# Allegro board OPT8241-CDK-EVM IB 10-50_REV2P0V1.brd
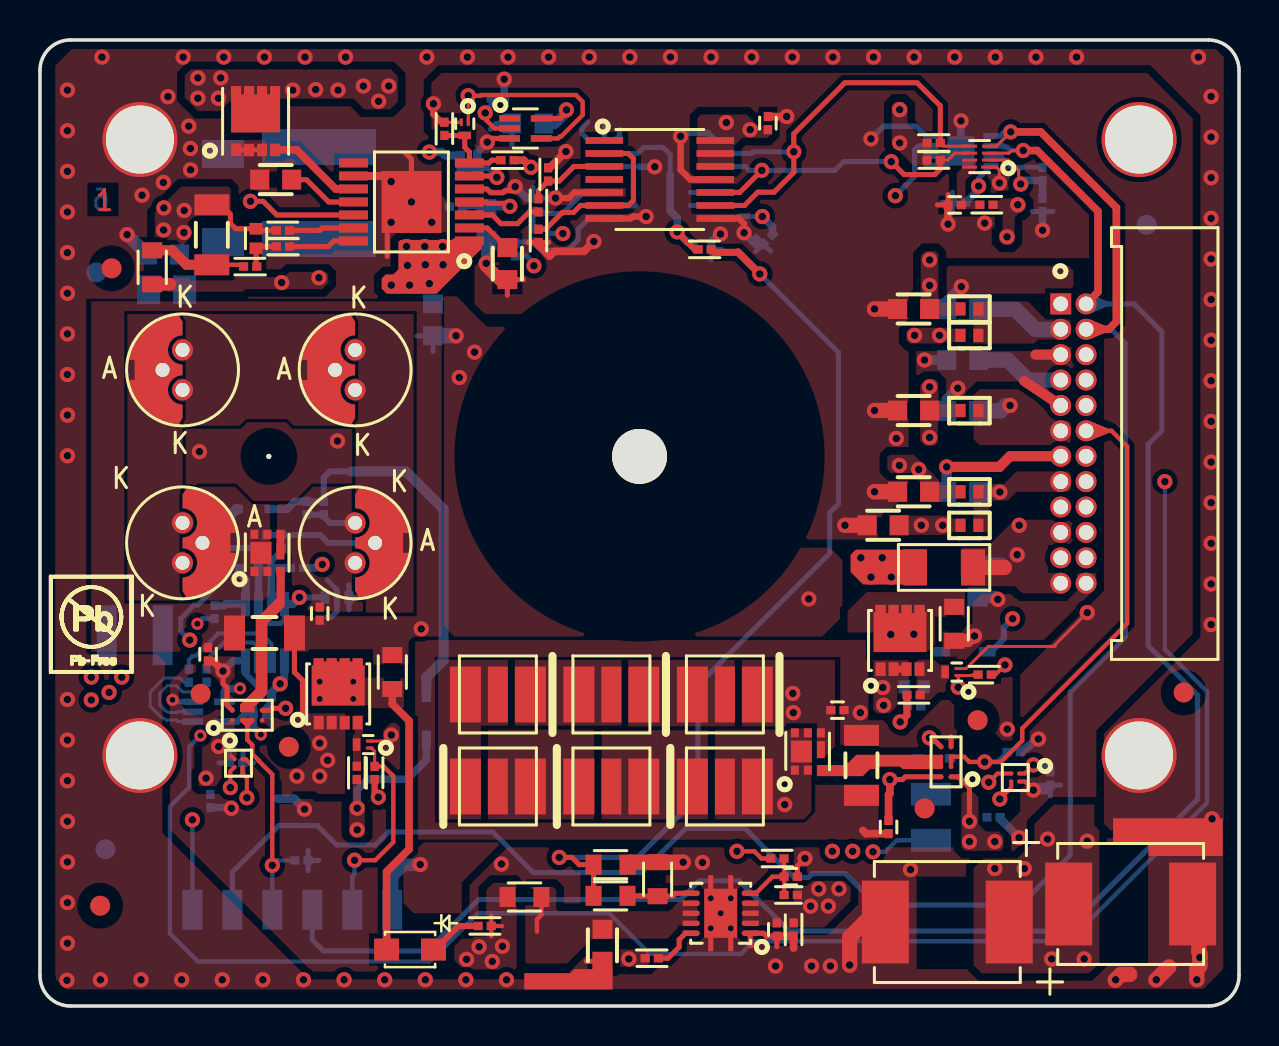
[diagram p0: board, top side]
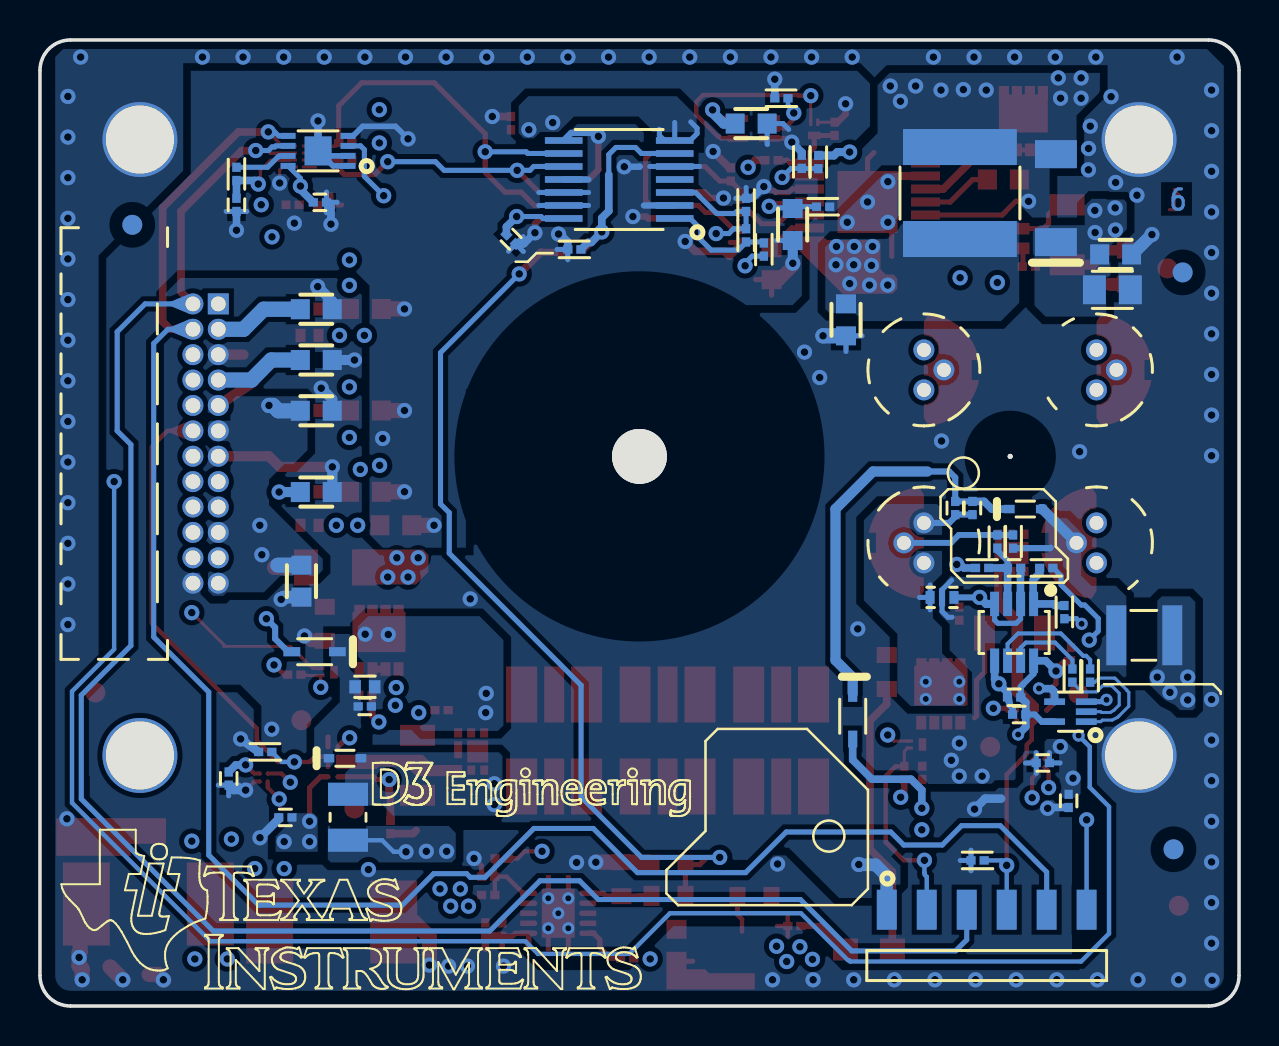
[diagram p1: board, bottom side, seen from below]

Outline 60 x 48.32 mm; copper layers: TOP, GND, SIG, PWR 1, PWR 2, BOTTOM. Coordinates in mm from the lower left corner of the outline.
Outline path: 0,46.8 0,1.52 arc(0.45,0.45) 1.52,0 58.48,0 arc(59.55,0.45) 60,1.52 60,46.8 arc(59.55,47.87) 58.48,48.32 1.52,48.32 arc(0.45,47.87) 0,46.8

## Design rules (mm)
net group 50 OHMS: nets ILLUM_EN ILLUM_ENZ ILLUM_N ILLUM_P ILLUM_REF
nets with their own width: min track width 0.218; nets EN ILLUM_EN_G_HEXLED ILLUM_EN_G_QUADLASER ILLUM_HEX_LED ILLUM_QUAD_LASER TRIG_G_HEXLED TRIG_G_QUADLASER
nets with their own width: min track width 0.254; nets CSH GND GND_SIGNAL I2C_AUX_SCL I2C_AUX_SDA I2C_SLV_SCL I2C_SLV_SCL_3V3 I2C_SLV_SDA I2C_SLV_SDA_3V3 N00829 N00887 N00891 N00899 N02235 N02281 N02839 N03645 N03679 N03848 N03934 N04868 N07848 N10016 N16712861 N16713156 N16713230 N16713615 N16714163 N16714426 N16715520 N16728853 N16778392 N16781068 N16781102 N16783332 N16783352 N1671243410 OVP RCT RVAR SW VCC_5V0_ILLUM_IN VCC_5V0_MINUS_ILLUM_IN VCC_ILLUM_DRV_1V8_IN VCC_ILLUM_DRV_3V3 VCC_ILLUM_DRV_3V3_IN VCC_ILLUM_DRV_5V0 VCC_IO VCC_IO_1V8 VCC_POW_5V0 VREF

## Placement (name value [footprint] x y rotation side)
B1  BLM31PG121SN1L  [INDC1206]  45.24 21.94 0 top
B2  BK1005HS100-T  [INDC0402]  46.51 34.87 180 top
B3  BK1005HS100-T  [INDC0402]  46.51 25.72 180 top
B4  BK1005HS100-T  [INDC0402]  46.51 29.79 180 top
B5  BK1005HS100-T  [INDC0402]  46.51 33.54 180 top
B6  DNP  [INDC0402]  46.51 24.04 180 top
C1  1.5mF  [CT7360-20]  54.58 5.1 0 top
C2  1.5mF  [CT7360-20]  45.4 4.2 180 top
C3  100nF  [CC0603]  43.72 34.87 0 top
C4  100nF  [CC0603]  43.72 25.72 0 top
C5  100nF  [CC0603]  43.72 29.79 0 top
C6  100nF  [CC0603]  42.19 24.04 0 top
C7  100nF  [CC0603]  46.17 34.85 0 bottom
C8  100nF  [CC0603]  46.17 32.31 0 bottom
C9  100nF  [CC0603]  46.17 29.77 0 bottom
C10  100nF  [CC0603]  46.17 25.71 0 bottom
C11  100nF  [CC0603]  46.92 21.25 90 bottom
C12  100pF  [CC0201]  45.77 40.07 180 top
C13  100nF  [CC0201]  45.99 40.2 180 bottom
C14  DNP  [CC0201]  42.46 8.95 270 top
C15  DNP  [CC0201]  47.72 9.43 0 bottom
C16  DNP  [CC0201]  50.56 11.38 270 bottom
C17  DNP  [CC0402]  43.74 15.97 180 bottom
C18  DNP  [CC0201]  39.91 14.8 180 top
C19  DNP  [CC0603]  19.67 34.32 90 bottom
C20  DNP  [CC0603]  6.17 37.6 0 bottom
C21  DNP  [CC0603]  23.39 37.13 270 top
C22  DNP  [CC0402]  10.82 38.39 90 top
C23  DNP  [CC0603]  11.8 41.33 0 top
C24  DNP  [CC0201]  36.43 44.16 90 top
C25  DNP  [CC0603]  22.34 39.09 90 bottom
C33  22uF  [CC0603]  28.15 3.04 270 top
C34  100nF  [CC0201]  36.87 3.83 270 top
C35  100nF  [CC0201]  37.57 6.47 0 top
C36  100nF  [CC0201]  8.41 17.59 90 top
C37  100nF  [CC0201]  8.53 10.26 270 bottom
C38  10nF  [CC0201]  14.2 24.91 270 bottom
C39  1uF  [CC0201]  9.82 12.16 0 bottom
C40  10nF  [CC0201]  14 19.63 90 top
C41  100nF  [CC0201]  36.42 38.35 225 bottom
C46  100nF  [CC0603]  24.41 44.14 0 bottom
C47  100nF  [CC0201]  50.17 40.07 270 bottom
C48  330pF  [CC0201]  13.34 24.91 270 bottom
C49  DNP  [CC0805]  6.34 35.82 0 bottom
C50  DNP  [CC0201]  43.75 14.98 180 bottom
C51  10nF  [CC0201]  11.25 15.44 180 bottom
C52  10nF  [RF_CAP]  14.86 20.44 180 bottom
C53  100pF  [CC0201]  11.26 21.91 0 bottom
C54  100nF  [CC0201]  11 14.58 0 bottom
D1  DNP  [LED_SFH_4715S_CUS]  34.27 10.98 0 top
D2  DNP  [LED_SFH_4715S_CUS]  28.59 10.98 0 top
D3  DNP  [LED_SFH_4715S_CUS]  22.91 10.98 0 top
D4  DNP  [LED_SFH_4715S_CUS]  22.91 15.58 180 top
D5  DNP  [LED_SFH_4715S_CUS]  28.59 15.58 180 top
D6  DNP  [DIO_SOD-523]  44.74 12.39 180 bottom
D7  DNP  [DIO_SOD-323FL]  46.26 17.72 0 bottom
D8  DNP  [LED_SFH_4715S_CUS]  34.27 15.58 180 top
D9  DNP  [DIO_TMINIP2-F2-B]  9.16 40.41 90 bottom
D11  21170778  [DIODE_22045498_CUS]  7.13 22.17 90 top
D12  21170778  [DIODE_22045498_CUS]  7.13 32.82 270 top
D13  21170778  [DIODE_22045498_CUS]  15.77 32.82 270 top
D14  BAP65-02  [DIO_SOD-523]  10.7 24.86 180 bottom
D15  DDZ10BSF  [DIO_SOD-323FL]  19.33 14.49 270 bottom
D16  21170778  [DIODE_22045498_CUS]  15.77 22.17 90 top
D18  APT1608SURCK  [APT2012MGC]  18.52 2.82 180 top
J1  SHF-112-01-L-D-RA  [SAMTEC_SHF-112-01-L-D-RA]  51.08 35.12 270 top
J2  DNP  [3M_951106-4620-AR-PR]  12.63 2.02 180 bottom
L1  DNP  [INDC1007]  44.58 9.44 90 bottom
L2  DNP  [IND_74404064033]  13.96 40.66 90 bottom
L5  510nH  [INDC1210]  4.74 18.54 180 bottom
MH1  M HOLE1  [NPTH_118]  55 43.34 0 top
MH2  M HOLE1  [NPTH_118]  5 43.34 0 top
MH3  M HOLE1  [NPTH_118]  55 12.53 0 top
MH4  M HOLE1  [NPTH_118]  5 12.53 0 top
NOREF  -  [unnamed]  57.23 15.68 0 top
NOREF#2  -  [#2]  0 46.8 0 top
NOREF#3  -  [#2]  30.03 18.74 0 top
NOREF#4  -  [unnamed]  3.01 5.02 0 top
NOREF#5  -  [#2]  1.52 0 90 top
NOREF#6  -  [#2]  0.29 47.94 0 top
NOREF#7  -  [unnamed#2]  30 27.49 0 top
NOREF#8  -  [unnamed#3]  11.45 27.49 0 top
NOREF#9  -  [unnamed]  3.58 36.9 0 top
NOREF#10  -  [unnamed]  3.28 7.84 0 bottom
NOREF#11  -  [unnamed]  2.82 36.69 0 bottom
NOREF#12  -  [unnamed]  55.38 39.07 0 bottom
R3  200k  [RC0201]  47.36 40.08 180 top
R4  DNP  [RC0201]  48.73 12.71 180 bottom
R5  DNP  [RC0201]  43.72 15.56 180 top
R6  DNP  [RC0201]  47.27 16.58 0 top
R7  DNP  [RC0603]  45.75 19.12 90 top
R8  DNP  [RC1206]  41.11 12.04 270 top
R9  DNP  [RC0201]  12.16 38.79 0 top
R10  DNP  [RC1206]  8.6 38.57 90 top
R11  DNP  [RC0201]  12.16 37.99 0 top
R12  DNP  [RC0201]  10.52 36.99 0 top
R13  DNP  [RC0201]  23.4 42.31 0 top
R14  DNP  [RC0201]  20.24 43.87 270 top
R15  DNP  [RC0201]  21.05 42.21 90 bottom
R16  DNP  [RC0201]  20.81 39.98 180 bottom
R17  DNP  [RC0201]  25.43 41.6 270 top
R18  DNP  [RC0201]  24.95 40.05 270 top
R19  DNP  [RC0201]  21.88 42.22 270 bottom
R20  DNP  [RC0201]  24.95 38.52 90 top
R26  DNP  [RC0201]  36.9 7.38 0 top
R27  10k  [RC0201]  30.61 2.39 180 top
R28  10k  [RC0201]  37.71 3.83 90 top
R29  10k  [RC0201]  37.57 5.55 0 top
R30  0  [RC0603]  28.55 5.51 0 top
R31  DNP  [RC0603]  28.55 7.07 180 top
R32  DNP  [RC0603]  30.91 6.34 270 top
R33  10k  [RC0201]  13.08 7.28 180 bottom
R34  0  [RC1206]  11.23 18.66 0 top
R35  2k  [RC0201]  15.85 11.66 270 top
R36  10k  [RC0201]  16.75 11.65 270 top
R37  DNP  [RC0603]  17.63 16.7 270 top
R38  0  [RC0201]  23.78 37.84 270 bottom
R41  DNP  [RC0201]  24.67 38.55 90 bottom
R44  DNP  [RC0201]  24.67 40.07 270 bottom
R50  10k  [RC0201]  22.9 45.4 180 bottom
R51  2.2k  [RC0201]  44.72 42.31 180 top
R52  2.2k  [RC0201]  44.72 43.17 180 top
R53  51.1k  [RC0201]  33.26 37.84 0 top
R54  113k  [RC0201]  33.26 37.84 180 bottom
R55  0  [RC0201]  50.17 41.62 90 bottom
R57  51  [RC0201]  22.25 4 180 top
R58  DNP  [RC0603]  5.62 36.95 90 top
R59  0  [RC0603]  24.25 5.45 0 top
R60  DNP  [RC0201]  9.65 21.91 180 bottom
R61  30  [RC0201]  8.34 16.53 90 bottom
R63  DNP  [RC0201]  12.86 21.91 0 bottom
R64  30  [RC0201]  7.45 16.53 90 bottom
R65  30  [RC0201]  12.09 23.23 90 bottom
R66  DNP  [RC0201]  11.31 23.23 90 bottom
R67  DNP  [RC0201]  8.74 19.7 270 bottom
U1  PCA9306DQER  [SON35P100X140X40-8N]  47.02 42.49 180 top
U2  DNP  [BGA8C50P2X4_89X189X50]  45.34 12.21 180 top
U3  DNP  [BGA4C40P2X2_76X76X63]  48.8 11.43 270 top
U4  DNP  [SON65P200X200X85-8]  38.43 12.73 0 top
U5  CSD17578Q3A  [SON_CSD17578Q3A]  43.04 18.29 90 top
U6  DNP  [DFN100X60X35-3N]  45.62 16.7 180 top
U7  DNP  [SOP65P640X110-15N]  18.59 40.22 180 top
U8  DNP  [DFN100X60X35-3N]  21.25 43.87 270 top
U9  DNP  [SOP65P580X120-14]  31.02 41.34 0 top
U12  TPS2559  [SON50P300X300X100-11NA]  34.06 4.64 180 top
U13  SN74LVC2T45  [BGA8C50P2X4_89X189X50]  10.37 14.54 90 top
U14  TMP103C  [BGA4C40P2X2_76X76X63]  9.93 12.15 0 top
U15  CSD16301Q2  [SON65P200X200X85-8]  11.38 22.67 0 top
U16  CSD17578Q3A  [SON_CSD17578Q3A]  14.92 15.61 90 top
U17  CSD13381F4  [DFN100X60X35-3N]  16.17 13.08 180 top
U18  TPL0102-100PWR  [SOP65P580X120-14]  31.02 41.34 0 bottom
U20  SN74AHC1G04  [SOT553]  24.29 43.9 270 top
U21  CAT24C02HU4IGT3A  [SON50P200X300X55-9N]  46.09 42.77 0 bottom
U22  TLV3502  [SOT23-8]  11.28 18.71 0 bottom
U23  SN74LVC1G86  [SOT553]  8.44 14.72 90 bottom
X1  DNP  [SON_CSD17308Q3]  10.79 44.26 90 top

## Library data of the parts
B1-B6 = Bead
C1-C25 C33-C41 C46-C51 C53 C54 = CAP NP
C52 = CAP NP_1
D1-D5 D8 = LED_3
D6 D14 = DIODE PIN_3
D7 D15 = DIODE ZENER
D9 = DIODE SCHOTTKY_0
D11-D13 D16 = LED_1
D18 = LED_2
J1 = CONN PLUG 12x2_1
J2 = CON6A_0
L1 L2 L5 = INDUCTOR
MH1-MH4 = M HOLE1_1
R3-R20 R26-R38 R41 R44 R50-R55 R57-R61 R63-R67 = RESISTOR
U1 = PCA9306DQER
U2 = SN74LVC2T45-Q1_1
U3 U14 = TMP103A
U4 U15 = CSD16301Q2_4
U5 U16 = CSD17578Q3A_3
U6 U8 U17 = CSD13381F4_2
U7 = LM3429
U9 U18 = TPL0102-100_0
U12 = TPS2559
U13 = SN74LVC2T45-Q1_0
U20 = SN74AHC1G04
U21 = CAT24C02HU4IGT3A_0
U22 = TLV3502
U23 = SN74AHC1G04_1
X1 = CSD16301Q2_0

## Footprints (pads in the part's own frame, mm; a bottom-side part is the same pattern mirrored in y, then rotated)
3M_951106-4620-AR-PR
  rect 1x2 smd: 1(-5,2.795) 2(-3,2.795) 3(-1,2.795) 4(1,2.795) 5(3,2.795) 6(5,2.795)
APT2012MGC
  rect 1.25x1.1 smd: 1(-1.175,0) 2(1.175,0)
BGA4C40P2X2_76X76X63
  round 0.2 smd: A1(-0.2,0.2) A2(0.2,0.2) B1(-0.2,-0.2) B2(0.2,-0.2)
BGA8C50P2X4_89X189X50
  round 1 smd: (-1.58,-2.08) (1.072,2.334)
  round 0.23 smd: A1(-0.25,0.75) A2(0.25,0.75) B1(-0.25,0.25) B2(0.25,0.25) C1(-0.25,-0.25) C2(0.25,-0.25) D1(-0.25,-0.75) D2(0.25,-0.75)
CC0201
  rect 0.46x0.42 smd: 1(-0.33,0) 2(0.33,0)
CC0402
  rect 0.58x0.66 smd: 1(-0.49,0) 2(0.49,0)
CC0603
  rect 0.95x1 smd: 1(-0.8,0) 2(0.8,0)
CC0805
  rect 1.15x1.45 smd: 1(-0.9,0) 2(0.9,0)
CT7360-20
  rect 2.35x4.15 smd: 1(-3.1,0) 2(3.1,0)
DFN100X60X35-3N
  rect 0.38x0.15 smd: 1(-0.33,0.175) 2(-0.33,-0.175)
  rect 0.38x0.63 smd: 3(0.33,0)
DIO_SOD-323FL
  rect 0.84x0.46 smd: 1(-1.14,0) 2(1.14,0)
DIO_SOD-523
  rect 0.53x0.42 smd: 1(-0.8,0) 2(0.8,0)
DIO_TMINIP2-F2-B
  rect 1.4x2.1 smd: 1(-2.2,0) 2(2.2,0)
DIODE_22045498_CUS
  round 1.05 hole 0.7: 1(0,0) 2(1,-1) 3(2,0)
IND_74404064033
  rect 1.8x5.7 smd: 1(-2.3,0) 2(2.3,0)
INDC0402
  rect 0.508x0.66 smd: 1(-0.45,0) 2(0.45,0)
INDC1007
  rect 1.15x2 smd: 1(-1.15,0) 2(1.15,0)
INDC1206
  rect 1.194x1.803 smd: 1(-1.45,0) 2(1.45,0)
INDC1210
  rect 1x3 smd: 1(-1.4,0) 2(1.4,0)
LED_SFH_4715S_CUS
  rect 1.55x2.8 smd: 1(-1.125,0) 3(1.125,0)
  rect 1x2.8 smd: 2(0,0)
NPTH_118
  round 3.75 hole 3.404: 1(0,0)
RC0201
  rect 0.46x0.42 smd: 1(-0.33,0) 2(0.33,0)
RC0603
  rect 0.8x1 smd: 1(-0.85,0) 2(0.85,0)
RC1206
  rect 1.05x1.75 smd: 1(-1.5,0) 2(1.5,0)
RF_CAP
  rect 0.457x0.635 smd: A(-0.597,0) B(0.597,0)
  rect 0.305x0.889 smd: G12(0,0)
SAMTEC_SHF-112-01-L-D-RA
  rect 1.05x1.05 hole 0.74: 1(0,0)
  round 1.05 hole 0.74: 2(0,1.27) 3(1.27,0) 4(1.27,1.27) 5(2.54,0) 6(2.54,1.27) 7(3.81,0) 8(3.81,1.27) 9(5.08,0) 10(5.08,1.27) 11(6.35,0) 12(6.35,1.27) 13(7.62,0) 14(7.62,1.27) 15(8.89,0) 16(8.89,1.27) 17(10.16,0) 18(10.16,1.27) 19(11.43,0) 20(11.43,1.27) 21(12.7,0) 22(12.7,1.27) 23(13.97,0) 24(13.97,1.27)
SON35P100X140X40-8N
  rect 0.8x0.15 smd: 1(-0.475,0.525)
  rect 0.75x0.15 smd: 2(-0.5,0.175) 3(-0.5,-0.175) 4(-0.5,-0.525) 5(0.5,-0.525) 6(0.5,-0.175) 7(0.5,0.175) 8(0.5,0.525)
SON50P200X300X55-9N
  rect 0.75x0.3 smd: 1(-1.5,0.75) 2(-1.5,0.25) 3(-1.5,-0.25) 4(-1.5,-0.75) 5(1.5,-0.75) 6(1.5,-0.25) 7(1.5,0.25) 8(1.5,0.75)
  rect 1.35x1.45 smd: 9(0,0)
SON50P300X300X100-11NA
  custom 0.85x0.28 smd: 1(-1.475,1) 2(-1.475,0.5) 3(-1.475,0) 4(-1.475,-0.5) 5(-1.475,-1) 6(1.475,-1) 7(1.475,-0.5) 8(1.475,0) 9(1.475,0.5) 10(1.475,1)
  custom 1.65x3.81 smd: 11(0,0)
SON65P200X200X85-8
  rect 0.4x0.46 smd: 1(-0.65,-0.93) 2(0,-0.93) 3(0.65,-0.93) 4(0.65,0.93) 5(0,0.93) 6(-0.65,0.93)
  rect 0.4x0.85 smd: 7(0.65,0.095)
  rect 1.05x1.1 smd: 8(-0.325,0)
SON_CSD17308Q3
  rect 0.63x0.5 smd: 1(-1.435,0.975) 2(-1.435,0.325) 3(-1.435,-0.325) 4(-1.435,-0.975) 5(1.435,-0.975) 6(1.435,-0.325) 7(1.435,0.325) 8(1.435,0.975)
SON_CSD17578Q3A
  rect 0.68x0.5 smd: 1(-1.435,0.975) 2(-1.435,0.325) 3(-1.435,-0.325) 4(-1.435,-0.975) 5(1.435,-0.975) 6(1.435,-0.325) 7(1.435,0.325) 8(1.435,0.975)
SOP65P580X120-14
  rect 1.88x0.33 smd: 1(-2.777,1.95) 2(-2.777,1.3) 3(-2.777,0.65) 4(-2.777,0) 5(-2.777,-0.65) 6(-2.777,-1.3) 7(-2.777,-1.95) 8(2.777,-1.95) 9(2.777,-1.3) 10(2.777,-0.65) 11(2.777,0) 12(2.777,0.65) 13(2.777,1.3) 14(2.777,1.95)
SOP65P640X110-15N
  rect 1.45x0.45 smd: 1(-2.9,1.95) 2(-2.9,1.3) 3(-2.9,0.65) 4(-2.9,0) 5(-2.9,-0.65) 6(-2.9,-1.3) 7(-2.9,-1.95) 8(2.9,-1.95) 9(2.9,-1.3) 10(2.9,-0.65) 11(2.9,0) 12(2.9,0.65) 13(2.9,1.3) 14(2.9,1.95)
  rect 3x3.1 smd: 15(0,0)
SOT23-8
  rect 0.45x1.219 smd: 1(-1,-1.4) 2(-0.35,-1.4) 3(0.3,-1.4) 4(0.95,-1.4) 5(0.95,1.44) 6(0.3,1.44) 7(-0.35,1.44) 8(-1,1.44)
SOT553
  rect 0.33x1.041 smd: 1(-0.5,-0.792) 2(0,-0.792) 3(0.5,-0.792) 4(0.5,0.792) 5(-0.5,0.792)
unnamed
  round 1 smd: (0,0)
unnamed#2
  round 2.743 hole 2.997 unplated: (0,0)
unnamed#3
  round 0.254 hole 2.299 unplated: (0,0)

## Nets
GND: C7.1 C8.1 C9.1 C10.1 C11.1 C14.2 C18.1 C19.1 C20.1 C23.1 C36.2 C40.1 C49.1 C52.G12 J1.5(15) J1.9(17) J1.13(19) J1.17(21) J1.24(12) J2.1 MH1.1(GND) MH2.1(GND) MH3.1(GND) MH4.1(GND) R7.1 R8.1 R8.2 R34.1 R34.2 R37.1 U2.D1(GND) U5.1(DRAIN) U5.2(SOURCE) U5.3(DRAIN3) U7.9(PGND) U7.15(DAP) U13.D1(GND) U16.1(DRAIN) U16.2(SOURCE) U16.3(DRAIN3) X1.1(S1) X1.2(S2) X1.3(S3)
GND_SIGNAL: C1.2 C2.2 C3.1 C4.1 C5.1 C6.1 C12.2 C13.2 C15.2 C16.2 C21.2 C24.2 C25.1 C33.2 C34.2 C35.2 C37.2 C39.2 C41.2 C46.1 C47.2 C51.1 C54.2 R4.1 R14.1 R17.1 R19.1 R20.1 R28.1 R31.1 R32.1 R33.1 R44.1 R50.1 R54.1 R67.2 U1.1(GND) U3.A2(GND) U6.2(SOURCE) U7.5(AGND) U8.2(SOURCE) U9.5(LB) U9.7(A2) U9.8(VSS) U9.11(GND) U12.1(GND) U12.11(PAD) U14.A2(GND) U17.2(SOURCE) U18.2(LA) U18.5(LB) U18.8(VSS) U18.11(GND) U18.12(A1) U18.13(A0) U20.3(GND) U21.1(A0) U21.2(A1) U21.4(VSS) U21.9(DAP) U22.5(VSS) U23.3(GND)
VCC_5V0_ILLUM_IN: B1.2 B4.1 C9.2 C11.2 J1.11(18) J1.19(22) J1.23(24)
VCC_5V0_MINUS_ILLUM_IN: C8.2 J1.7(16)
VCC_ILLUM_DRV_1V8_IN: B3.1 B6.1 C10.2 J1.15(20)
VCC_ILLUM_DRV_3V3: B2.2 C3.2 C24.1 C36.1 C41.1 C51.2 C54.1 R3.1 R38.2 R51.2 R52.2 U9.12(A1) U9.13(A0) U9.14(VDD) U13.A2(VCCB) U18.7(A2) U18.14(VDD) U22.8(VCC) U23.5(VCC)
VCC_ILLUM_DRV_3V3_IN: B2.1 B5.1 C7.2 J1.3(14)
VCC_ILLUM_DRV_5V0: B4.2 C5.2 C14.1 D15.2(ANODE) R5.2 R35.2 U2.A2(VCCB)
VCC_IO: B5.2 B6.2 C6.2 C15.1 R6.2 U2.A1(VCCA) U2.D2(DIR)
VCC_IO_1V8: B3.2 C4.2 C13.1 C16.1 C37.1 C39.1 C46.2 C47.1 R36.2 R55.1 U1.2(VREF1) U3.A1(V+) U13.A1(VCCA) U13.D2(DIR) U14.A1(V+) U20.5(VCC) U21.3(A2) U21.8(VCC)
VCC_POW_5V0: B1.1 C1.1 C2.1 C19.2 C34.1 L2.1 R13.2 R27.2 R28.2 R29.2 U7.1(VIN) U12.2(IN#2) U12.3(IN#3) U12.4(IN#4)
COMP_MOD_FB: J1.16(8) U23.4(Y)
COMP_MOD_REF: J1.14(7) R60.2 R63.2
CSH: R18.2 U7.3(CSH)
EN: C35.1 R26.2 R29.1 U12.5(EN)
I2C_AUX_SCL: J1.6(3) U3.B2(SCL) U14.B2(SCL)
I2C_AUX_SDA: J1.8(4) U3.B1(SDA) U14.B1(SDA)
I2C_SLV_SCL: J1.2(1) J2.3 U1.3(SCL1) U21.6(SCL)
I2C_SLV_SCL_3V3: R51.1 U1.6(SCL2) U9.10(SCL) U18.10(SCL)
I2C_SLV_SDA: J1.4(2) J2.5 U1.4(SDA1) U21.5(SDA)
I2C_SLV_SDA_3V3: R52.1 U1.5(SDA2) U9.9(SDA) U18.9(SDA)
ILLUM_EN: J1.1(13) R26.1 R50.2 U20.2(A)
ILLUM_EN_G_HEXLED: R5.1 U5.4(GATE) U6.3(DRAIN)
ILLUM_EN_G_QUADLASER: R35.1 U16.4(GATE) U17.3(DRAIN)
ILLUM_ENZ: J2.2 R6.1 R36.1 U6.1(GATE) U8.1(GATE) U17.1(GATE) U20.4(Y)
ILLUM_HEX_LED: D7.2(ANODE) L1.1 R15.2 R58.1
ILLUM_N: J1.12(6) R4.2 U2.B1(A1) U2.C1(A2)
ILLUM_P: J1.10(5) J2.4 R33.2 U13.B1(A1) U13.C1(A2)
ILLUM_QUAD_LASER: L5.2 R57.1 R59.1
ILLUM_REF: J1.20(10) J2.6
OUTA: R61.2 U22.7(OUTA)
OUTB: R64.2 U22.6(OUTB)
OVP: R15.1 R19.2 U7.6(OVP)
RCT: C25.2 R16.1 U7.4(RCT)
RVAR: R30.1 R31.2 R53.2
SW: D9.2(ANODE) L2.2 R16.2 U7.12(IS) X1.5(D1) X1.6(D2) X1.7(D3) X1.8(D4)
TRIG_G_HEXLED: U2.B2(B1) U2.C2(B2) U4.3(G)
TRIG_G_QUADLASER: U13.B2(B1) U13.C2(B2) U15.3(G)
VREF: C52.B C53.1 R41.2 R44.2 U18.3(WA) U22.2(INA-) U22.4(INB-)
N00829: D1.2(ANODE) D1.3(ANODE_1) D6.2 L1.2 U4.1(D1) U4.2(D2) U4.5(D3) U4.6(D4) U4.8(PAD-D)
N00887: D5.1(CATHODE) D8.2(ANODE) D8.3(ANODE_1)
N00891: D2.1(CATHODE) D3.2(ANODE) D3.3(ANODE_1)
N00899: C17.2 C18.2 C50.2 D8.1(CATHODE) R7.2 U4.4(S) U4.7(PAD-S) U5.5(DRAIN5) U5.6(DRAIN6) U5.7(DRAIN7) U5.8(DRAIN8)
N02235: D11.2(ANODE) D14.2 L5.1 R66.1 U15.1(D1) U15.2(D2) U15.5(D3) U15.6(D4) U15.8(PAD-D)
N02281: C38.2 C40.2 C48.2 C52.A D16.1(CATHODE1) D16.3(CATHODE2) D18.2(K) R37.2 U15.4(S) U15.7(PAD-S) U16.5(DRAIN5) U16.6(DRAIN6) U16.7(DRAIN7) U16.8(DRAIN8)
N02839: D13.1(CATHODE1) D13.3(CATHODE2) D16.2(ANODE) R65.2 R66.2
N03645: D12.1(CATHODE1) D12.3(CATHODE2) D13.2(ANODE)
N03679: D11.1(CATHODE1) D11.3(CATHODE2) D12.2(ANODE)
N03848: D4.1(CATHODE) D5.2(ANODE) D5.3(ANODE_1)
N03934: D3.1(CATHODE) D4.2(ANODE) D4.3(ANODE_1)
N04868: D1.1(CATHODE) D2.2(ANODE) D2.3(ANODE_1)
N07848: C17.1 C50.1 D6.1 D7.1(CATHODE)
N10016: C38.1 C48.1 D14.1 D15.1(CATHODE)
N16712861: U7.10(GATE) X1.4(G)
N16713156: C20.2 C22.2 C49.2 D9.1(CATHODE) R9.1 R10.2
N16713230: C22.1 R11.1 R12.2
N16713537: R10.1 R12.1 R58.2
N16713615: R9.2 U7.13(HSP)
N16714163: C21.1 U7.2(COMP)
N16714426: R11.2 U7.14(HSN)
N16715520: R13.1 R14.2 U7.7(NDIM) U8.3(DRAIN)
N16728853: C12.1 R3.2 U1.7(VREF2) U1.8(EN)
N16734526: R55.2 U21.7(WP)
N16778392: R38.1 R41.1 U18.1(HA)
N16781068: R27.1 U12.10(FAULTZ)
N16781102: R30.2 R32.2 U12.6(ILIM)
N16781106: C33.1 R59.2 U12.7(OUT#7) U12.8(OUT#8) U12.9(OUT#9)
N16783332: R17.2 R18.1 U9.3(WA)
N16783352: R20.2 U9.2(LA) U9.6(WB)
N16784955: R53.1 R54.2 U18.6(WB)
N16791576: D18.1(A) R57.2
N16793522: C53.2 R63.1 R65.1 U22.3(INB+)
N16803989: R60.1 R67.1 U22.1(INA+)
N16804892: R64.1 U23.1(A)
N16804966: R61.1 U23.2(B)
N1671243410: C23.2 U7.11(VCC)

Pads without a net: J1 18 21 22; U7 8; U9 1 4; U18 4; U20 1

## Via types
v1: diameter 0.762, hole 0.381, TOP to BOTTOM, 276 vias
v2: diameter 0.61, hole 0.305, TOP to BOTTOM, 14 vias

## Routing (per net, layer and track width the routed paths; a pad name or vN(x,y) marks a point on that pad's centre or on a via; arc(x,y) is an arc through that point)
GND: length 44.8
  TOP w0.254: R34.2 12.73,16.7 13.13,16.3 13.13,14.52 ; 18.27,42.69 18.59,42.37 v1(18.59,40.22) v1(17.57,39.2) 17.38,39.01 17.38,37.49 ; 45.58,13.45 45.59,13.45 U2.D1 ; X1.1 X1.2 X1.3 ; 13.13,14.52 13.24,14.42 ; 13.13,14.52 13.11,14.55
  TOP w0.356: U5.3 U5.2
  TOP w0.381: C36.2 8.41,17.9 ; 41.18,8.78 41.33,8.62 C14.2
  TOP w0.406: U7.9 17.29,41.52 v1(17.57,41.23)
  TOP w0.508: v1(45.37,26.97) 48.01,26.97 48.54,27.5 J1.13 ; J1.9 49.25,31.26 ; J1.24 52.35,21.14 ; J1.5 49.81,32.58
  TOP w0.635: R7.1 46.42,18.27 46.66,18.51 v1(46.76,18.51)
  GND w0.508: v1(23.35,1.31) v1(21.31,1.31)
  BOTTOM w0.254: 18.86,33.52 C19.1 19.67,32.74 ; 14.38,21.3 14.86,20.82 C52.G12 14.86,19.74 14.57,19.45 14.35,19.45
  BOTTOM w0.508: v1(46.1,35.98) 45.37,35.25 C7.1 ; C9.1 45.37,30.35 v1(45.93,30.9) ; C10.1 v1(45.37,26.97) ; C8.1 v1(44.26,32.31)
  BOTTOM w0.635: v1(47.93,20.34) 47.82,20.45 46.92,20.45 C11.1 ; v1(4.36,38.59) 5.35,37.6 C20.1 ; v1(19.03,7.08) 19.01,7.07 18.19,7.07 17.63,6.5 J2.1
  BOTTOM w0.762: C19.1 v1(20.82,33.52)
  vias: v1(1.35,1.29) v1(1.37,45.81) v1(1.37,43.78) v1(1.37,41.75) v1(1.37,39.72) v1(1.37,37.68) v1(1.37,35.65) v1(1.37,33.62) v1(1.37,31.59) v1(1.37,29.56) v1(1.37,27.52) v1(1.37,15.33) v1(1.37,13.3) v1(1.37,11.27) v1(1.37,9.24) v1(1.37,7.2) v1(1.37,5.17) v1(1.37,3.14) v1(3.03,1.31) v1(3.1,47.46) v1(5.11,40.55) v1(5.06,1.31) v1(6.17,41.19) v1(6.4,45.48) v1(7.09,1.31) v1(7.17,47.46) v1(7.44,44.01) v1(7.53,42.89) v1(7.54,41.82) v1(7.98,27.73) v1(9.12,1.31) v1(9.2,47.46) v1(11.23,47.46) v1(11.15,1.31) v1(12.85,11.5) v1(13.19,1.31) v1(13.26,47.46) v1(14,13.15) v1(14,11.5) v1(14.4,12.29) v1(14.89,28.26) v1(15.22,1.31) v1(15.29,47.46) v1(17.25,1.31) v1(19.08,18.86) v1(19.28,1.31) v1(19.36,47.46) v1(19.6,39.2) v1(20.98,31.44) v1(21.39,47.46) v1(21.74,32.71) v1(23.42,47.46) v1(25.45,47.46) v1(27.49,47.46) v1(29.52,47.46) v1(31.55,47.46) v1(33.58,47.46) v1(35.61,47.46) v1(37.65,47.46) v1(38.47,20.36) v1(39.68,47.46) v1(41.05,14.67) v1(41.71,47.46) v1(42.18,15.93) v1(42.22,15.04) v1(43.74,47.46) v1(45.77,47.46) v1(47.81,47.46) v1(48.4,13.85) v1(49.84,47.46) v1(51.87,47.46) v1(53.83,1.31) v1(55.86,1.31) v1(57.89,1.31) v1(57.97,47.46) v1(58.6,45.5) v1(58.6,43.46) v1(58.6,41.43) v1(58.6,39.4) v1(58.6,37.37) v1(58.6,35.34) v1(58.6,33.3) v1(58.6,31.27) v1(58.6,29.24) v1(58.6,27.21) v1(58.6,25.18) v1(58.6,23.14) v1(58.6,21.11) v1(58.6,19.08) v1(58.65,9.36)
GND_SIGNAL: length 152.6
  TOP w0.149: 17.07,13.25 U17.2 ; v1(52.4,19.68) 50.79,18.06 50.79,17.99 47.45,17.99 46.34,16.88 U6.2
  TOP w0.152: v1(48.01,41.16) 48.01,41.81 47.86,41.96 U1.1 ; R14.1 U8.2 ; v1(17.58,13.55) 17.28,13.25 17.07,13.25
  TOP w0.203: U14.A2 10.3,12.34 10.52,12.12 10.53,12.12 ; U3.A2 49.28,11.23 v1(49.71,10.8)
  TOP w0.254: 25.46,38.19 R20.1 24.43,38.19 ; 23.39,35.55 C21.2 24.19,36.33 ; 36.87,2.96 C34.2 36.35,3.5 36.21,3.64 U12.1 35.54,3.06 35.59,3.01 ; v1(22.38,43.21) 22.57,43.39 U20.3 ; v1(38.28,7.38) 37.9,7 C35.2 ; v1(23.78,40.99) 23.58,40.79 23.28,40.79 23.18,40.68 22.55,40.68 22.36,40.87 U7.5 ; 28.15,1.46 C33.2 27.34,2.24 ; 44.9,40.07 C12.2 45.44,40.58
  TOP w0.318: v1(35.23,38.68) 35.23,39.13 34.97,39.39 U9.8 ; v1(32.06,43.5) 32.06,41.82 32.54,41.34 U9.11 ; v1(19.69,45.13) 19.69,44.61 20.09,44.2 R14.1 ; v1(25.8,40.41) 26.47,40.41 26.74,40.69 U9.5 ; v1(30.33,39.49) 29.66,39.49 29.57,39.39 U9.7
  TOP w0.381: C24.2 v1(37.37,44.49) ; R17.1 25.5,41.93 v1(26.32,42.74) ; C12.2 v1(45.44,39.11) ; 38.33,7.33 v1(38.28,7.38) ; R20.1 24.95,38.07 25.5,37.51 25.74,37.75 27.22,37.75 v1(27.71,38.24) ; C34.2 R28.1 37.71,2.9
  TOP w0.635: C21.2 23.01,36.33 22.33,37.02 v1(22.33,37.15)
  TOP w0.762: C1.2 57.99,4.79 57.99,2.7 58.04,2.65 v1(58.04,2.43) 58.04,2.01 57.89,1.86 57.89,1.34 ; v1(32.18,7.19) R32.1 29.52,7.19 R31.1 ; C2.2 41.28,4.2 40.52,3.44 v1(40.52,2.05) ; 54.54,1.58 54.09,1.58 53.8,1.29 ; 56.49,1.96 55.84,1.31 ; C6.1 v1(40.28,24.04) ; C4.1 v1(41.76,25.72) ; C5.1 v1(41.76,29.79) ; C3.1 v1(41.76,34.87)
  GND w0.381: 57.89,1.31 57.15,2.05
  GND w0.508: 20.7,1.31 21.39,1.31
  GND w0.762: 37.65,47.46 37.65,46.68 ; 58.6,25.18 57.82,25.18 ; 15.22,1.31 15.22,2.1 ; 58.6,43.46 57.82,43.46 ; 27.49,47.46 27.49,46.68 ; 21.39,47.46 21.39,46.68 ; 58.6,27.21 57.82,27.21 ; 23.35,1.31 24.13,1.31 ; 25.45,47.46 25.45,46.68 ; 17.25,1.31 17.25,2.1 ; 55.86,1.31 55.86,2.1 ; 43.74,47.46 43.74,46.68 ; 29.52,47.46 29.52,46.68 ; 58.6,41.43 57.82,41.43 ; 13.19,1.31 13.19,2.1 ; 41.71,47.46 41.71,46.68 ; 35.61,47.46 35.61,46.68 ; 58.6,33.3 57.82,33.3 ; 39.68,47.46 39.68,46.68 ; 58.6,23.14 57.82,23.14 ; 58.6,45.5 57.82,45.5 ; 20.17,1.31 20.7,1.31 ; 58.65,9.36 57.86,9.36 ; 33.58,47.46 33.58,46.68 ; 58.6,39.4 57.82,39.4 ; 58.6,37.37 57.82,37.37 ; 31.55,47.46 31.55,46.68 ; 51.87,47.46 51.87,46.68 ; 58.6,35.34 57.82,35.34 ; 9.12,1.31 9.12,2.1 ; 53.83,1.31 53.83,2.1 ; 19.36,47.46 19.36,46.6 ; 58.6,29.24 57.82,29.24 ; 58.6,19.08 57.82,19.08 ; 47.81,47.46 47.81,46.68 ; 49.84,47.46 49.84,46.68 ; 45.77,47.46 45.77,46.68 ; 11.15,1.31 11.15,2.1 ; 58.6,21.11 57.82,21.11 ; 58.6,31.27 57.82,31.27 ; 19.28,1.31 19.28,2.1 ; 57.97,47.46 57.97,46.68